# Altium PCB GN-1866-A-V2.PCBDOC (part 3 of 5) (continued)
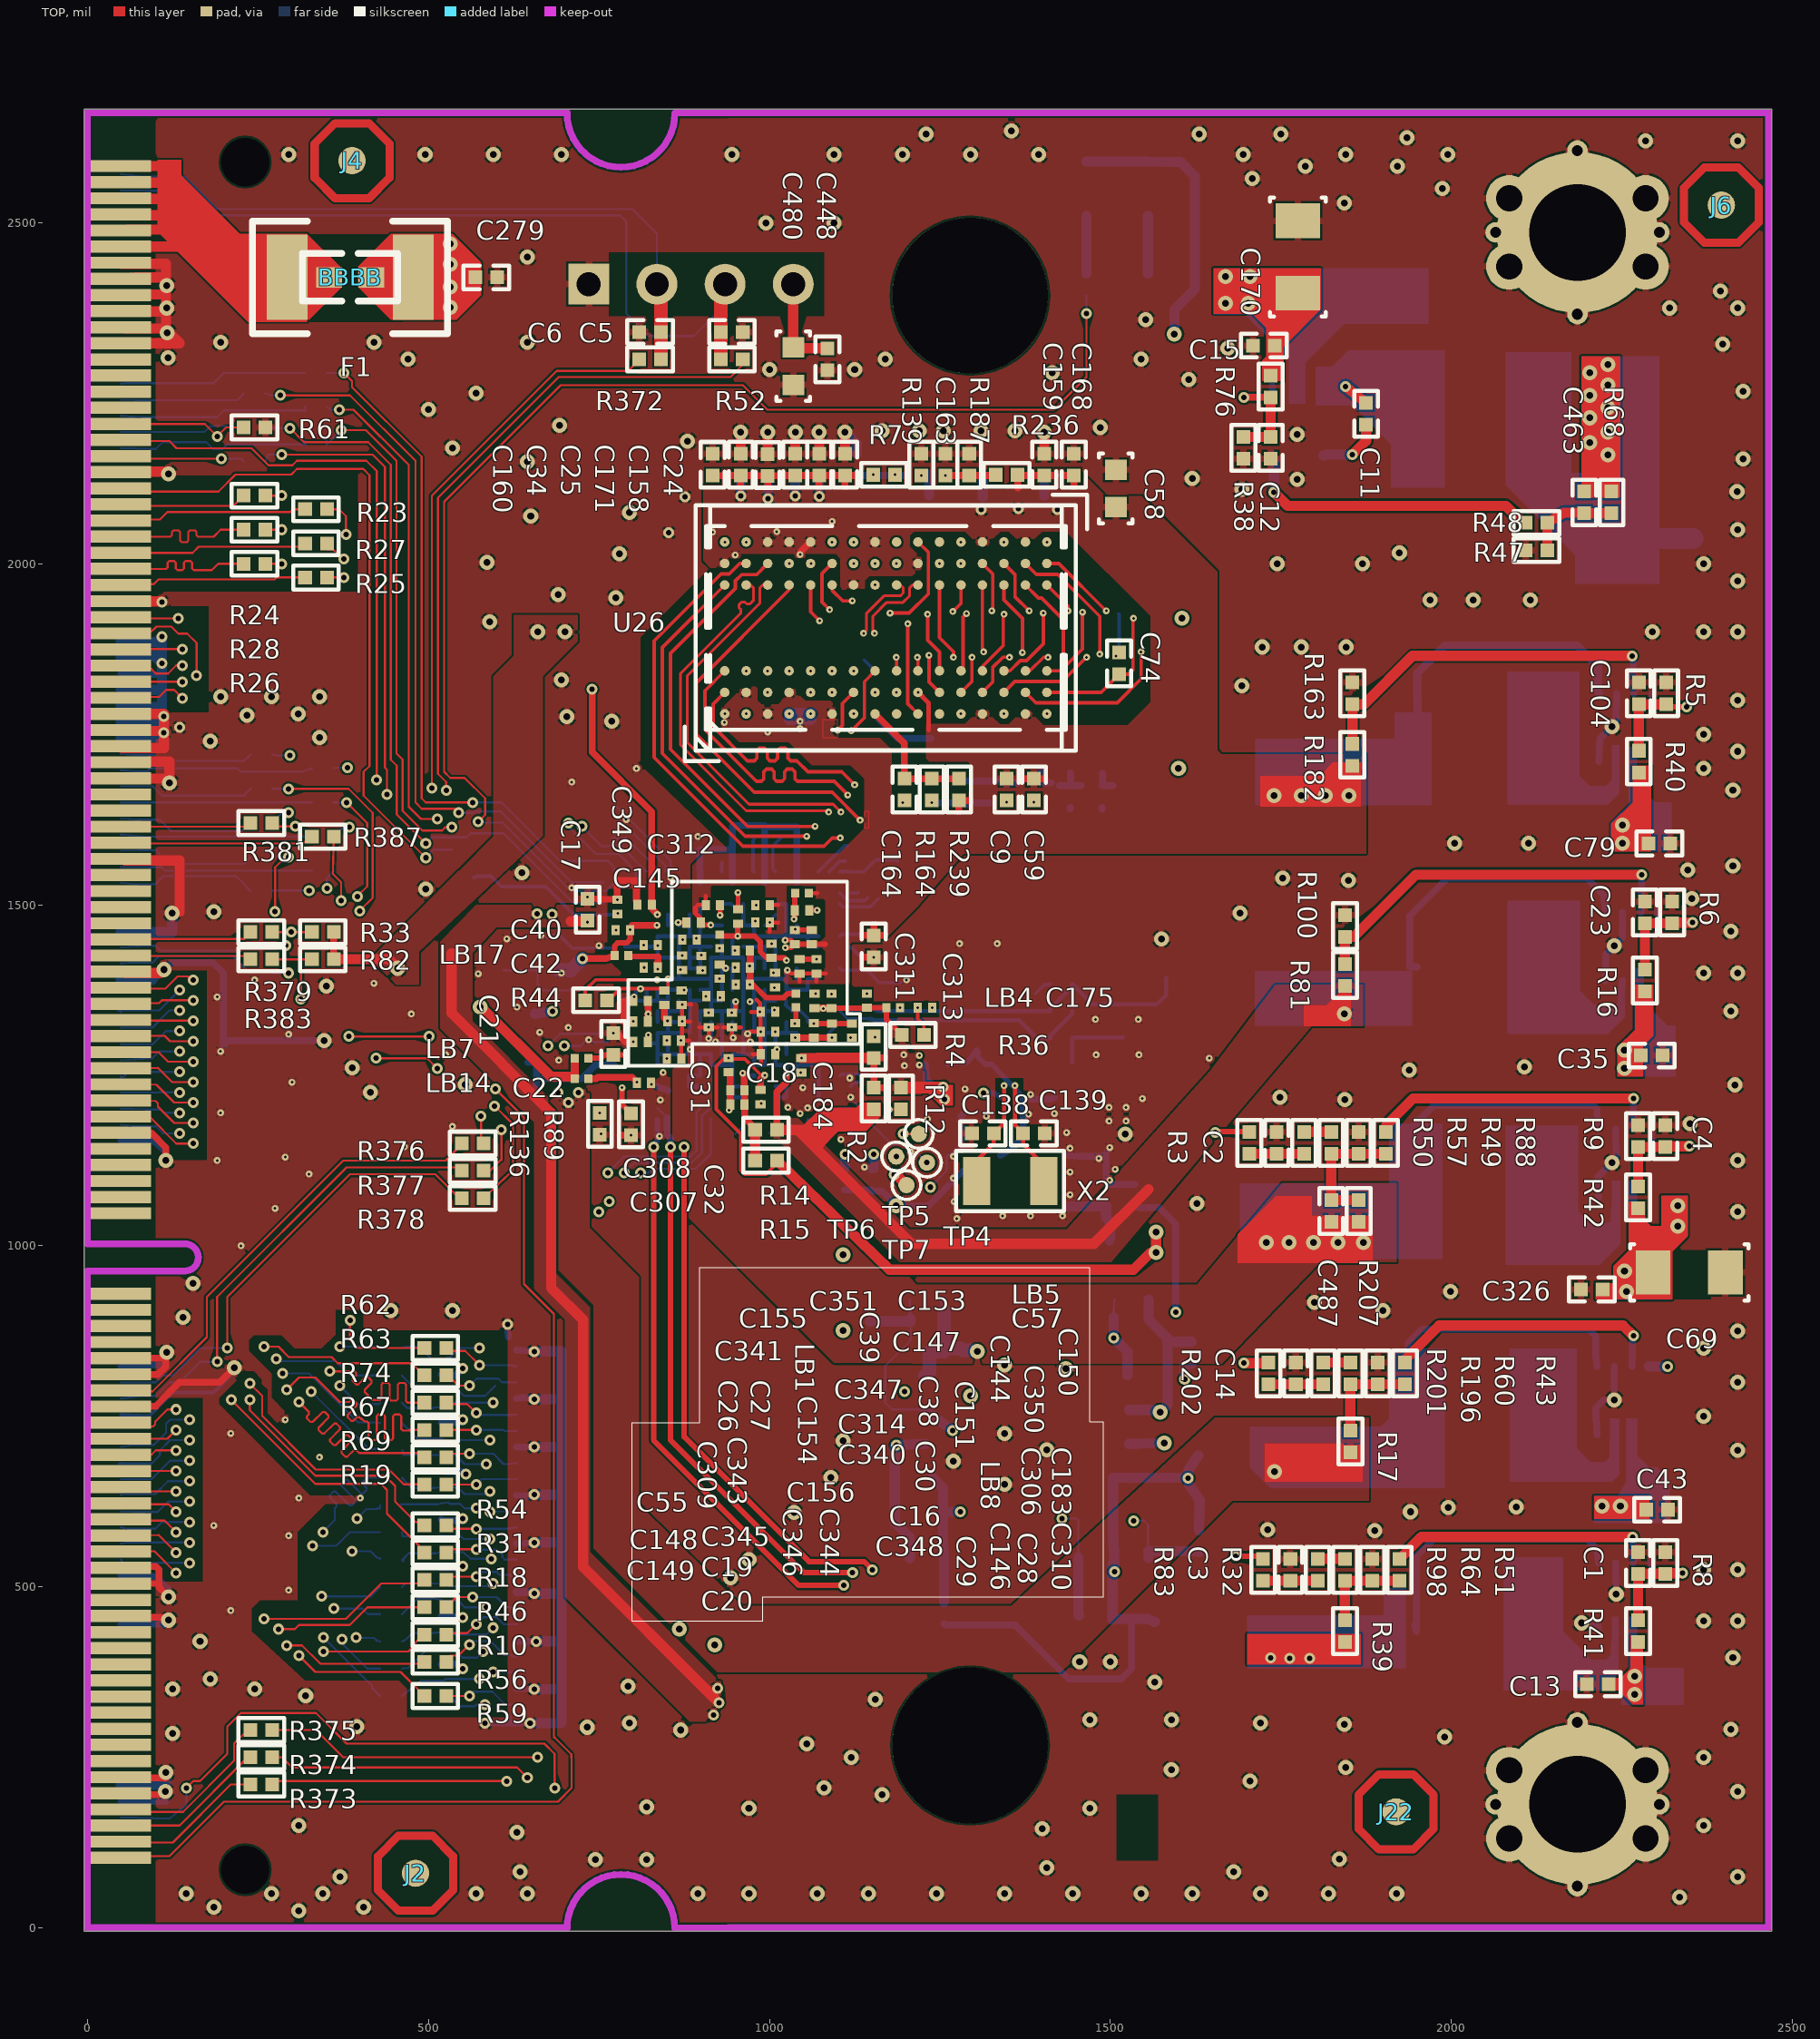
[diagram p0: TOP view]
## Nets (pads, with @x,y where several pads share a name; then routed paths per layer and width w, separated by ;. In a path a pad name is that pad's centre, name@x,y a point inside that pad or via, vN(x,y) a via of type N, cw(c..) or ccw(c..) an arc to the next point about the centre after c; other vN are vias at no path point) (continued)
  other v3: 210,465 295,495 295,575 185,590 310,630 400,630 340,690 210,725 290,745 225,1000 1275,1040 1342,1044 1383,1044 1430,1044 275,1055 1271,1065 1441,1075 1499,1096 1270,1099 325,1105 1441,1108 1507,1112 1139.49,1115.34 190,1125 1483,1128 290,1130 1270,1131 1207,1138 1441,1143 1499,1144 465,1145 1105,1156 838.7,1160.6 1436,1166 535,1175 1498,1183 1523,1183 1232,1186 1318,1190 1380,1193 1045,1194 1418,1194 195,1195 941,1199 1056.09,1202.14 1027,1203 1498,1203 1523,1203 988,1209 840,1214 1547,1216 1119.08,1217.88 1383,1222 1287,1230 827,1237 300,1240 1118,1246 1045.88,1253.75 844,1254 691,1272 849.58,1274.59 1645,1275 525,1280 1479,1280 1542,1280 195,1285 1011,1288 849.5,1300.99 735,1302 1119,1305 295,1310 663,1313 1008.5,1314 705,1320 1478,1332 1541,1332 475,1340 911,1341.5 1238.5,1349 630,1350 190,1365 801.5,1364.99 907,1366 1091,1369 1068,1370 1143,1370 875,1375 950.5,1383 420,1385 245,1390 1201,1390 573,1399 695,1400 1006.08,1400.59 902,1404 869.5,1404.9 936,1407 816,1408 949.6,1408 949.6,1433 750,1440 815.5,1441 1003.38,1443.03 1279,1443 1334,1443 873,1449 615,1450 665,1455 775,1463 979.32,1475.94 980.5,1499.6 733.38,1511.53 710,1525 855,1540 895,1600 790,1625 1195.5,1649.5 1238,1649.5 1348,1650.5 1388,1650.5 710,1680 805,1700 965.96,1779.99 1060.44,1779.99 1123.44,1779.99 1280.92,1779.99 1343.91,1779.99 1406.9,1779.99 1060.44,1811.48 1186.43,1811.48 965.96,1842.98 1508,1865 1028.95,2000.46 1061.06,2000.42 1123.44,2000.46 1186.43,2000.46 934.46,2031.95 965.96,2031.94 1091.94,2031.95 1123.44,2031.95 1280.92,2031.95 1343.91,2031.95 1406.9,2031.95
  other v4: 135,1760 852.5,2045.6 876,2098.3
  other v5: 879,1204 871,1244 887,1257 1069.19,1263.09 837,1287 996,1295 1049,1297 1173,1343 1107,1369 867,1392 960.7,1397.6 1009.02,1420.92 1009,1454 899,1480 1158,1638 1168,1669 1168,1704 1099,1885 1185.8,1897 1214,1897 1242,1897 1270,1897 1298,1897 1326,1897 1354,1897 1382,1897 1410,1897 1438,1897 1466,1897 1494,1897 1522,1897 1047,1952 896,1971 848,1982 874,2010
GPIO_IO1: R394.1 U3.T24 | length 1410.9
  TOP w3: v4(372,2196) 408,2196 453,2151 453,1722 462,1713 462,1638 491,1609 520,1609 525,1614 v4(534,1614)
  ART03 w3: v4(534,1614) 531,1611 498,1611 468,1581 468,1500 438,1470 438,1350 495,1293 v4(675,1293)
  BOTTOM w3: R394.1@351,2180 351,2175 v4(372,2196) ; v4(675,1293) 693,1311 756,1311 U3.T24@756.88,1312.37
GPIO_IO2: R395.1 U3.D24 | length 1093.3
  TOP w3: v4(297,2199) 317.5,2178.5 411.5,2178.5 444.75,2145.25 444.75,1712.75 453.5,1704 453.5,1632.5 v4(496,1590)
  BOTTOM w3: R395.1@261,2200 261,2199 v4(297,2199) ; v4(496,1590) 505,1599 556,1599 562,1605 610,1605 713,1502 754,1502 U3.D24@756.88,1501.35
GPIO_IO3: R396.1 U3.T23 | length 1415.5
  TOP w3: v4(369,2226) 390,2226 471,2145 471,1644 489,1626 v4(513,1626)
  ART03 w3: v4(513,1626) 501,1626 456,1581 456,1500 429,1473 429,1344 495,1278 684,1278 v4(699,1293)
  BOTTOM w3: R396.1@351,2230 357,2226 v4(369,2226) ; v4(699,1293) 723,1293 729,1299 762,1299 771,1308 U3.T23@772.63,1312.37
GPIO_IO4: R397.1 U3.B24 | length 1087.5
  TOP w3: v4(283,2247) 385,2247 481,2151 481,1650 490,1641 538,1641 v4(544,1635)
  BOTTOM w3: R397.1@261,2250 268,2247 v4(283,2247) ; v4(544,1635) 566,1635 568,1637 605.86,1637 607.78,1635.08 607.92,1635.08 710,1533 710,1532.92 753.88,1532.92 U3.B24@756.88,1532.84
GPIO_IO5: R398.1 U3.A23 | length 1026.9
  TOP w3: v4(376,2280) 388,2268 388,2259 490,2157 490,1656 496,1650 v4(565,1650)
  BOTTOM w3: R398.1@351,2280 v4(376,2280) ; v4(565,1650) 607,1650 692.53,1564.47 763,1564.47 771.97,1555.51 771.97,1550.1 772.04,1550.03 U3.A23@772.63,1548.59
LED1_GREEN: R87.1 U3.B23 | length 1925.2
  TOP w3: v4(573,1622) 583,1632 583,1656 553,1686 532,1686 523,1695 523,2091 694,2262 961,2262 997,2226 1417,2226 1465,2274 v4(1465,2367)
  BOTTOM w3: v4(573,1622) 574.5,1620.5 608.51,1620.5 709,1520.01 759.98,1520.02 U3.B23@772.63,1532.84 ; v4(1465,2367) R87.1@1465,2394
M0_CKM_VI0_D8: MIPI1.11 R10.2 U3.AA6 | length 1279.4
  TOP w3: R10.2@526,430 526,432 557,432 v4(570,445)
  ART03 w3: v4(570,445) 570,438 582,426 601,426 610.33,435.33 610.33,455.67 613.33,458.67 613.33,474 658,518.67 673.33,518.67 967.64,812.98 967.64,822.79 955.72,834.72 955.72,840 972.61,856.89 983.11,856.89 993,847 1004.66,847 1013.83,856.17 1013.83,868.17 1003,879 1003,883 1007.16,887.16 1012.16,887.16 1023.09,876.24 1032.89,876.24 1051,894.34 1051,1100.66 1034,1117.66 1034,1201 1039,1206 1039,1226.43 v5(1027.44,1237.99)
  ART05 w3: v5(1027.44,1237.99) v1(1040.34,1233.63)
  BOTTOM w3: v4(570,445) 580.42,455.42 600,455.42 610,445.42 610,445 MIPI1.11@629.12,445.27
M0_CKP_VI0_D7: MIPI1.10 R58.2 U3.AB6 | length 1278.9
  ART03 w3: v4(595,440) 595.5,440.5 595.5,452.16 603.17,459.83 603.17,477 653.5,527.33 670.67,527.33 676.67,533.33 676.67,537 667.67,546 667.67,549 676,557.33 679,557.33 688,548.33 691.67,548.33 700.28,556.94 700.28,561 694.28,567 694.28,570 700,575.72 702.72,575.72 708.58,569.86 708.86,569.86 709.39,569.33 712.67,569.33 959.64,816.3 959.64,819.48 947.56,831.56 947.56,843 968.56,864 988,864 997,855 1001.34,855 1005.67,859.33 1005.67,863 993,875.67 993,887 1002.32,896.32 1014.32,896.32 1026.4,884.24 1029.58,884.24 1043,897.66 1043,1097.34 1026,1114.34 v5(1026,1218)
  ART05 w3: v5(1026,1218) 1026.12,1217.88 v1(1040.34,1217.88)
  BOTTOM w3: R58.2@461,420 466.37,422.01 476.36,432 505,432 MIPI1.10@518.88,433.46 529,435 530,435 530,430.18 585.18,430.18 v4(595,440)
M0_D0M_VI0_VS: MIPI1.5 U3.AC5 | length 1147.1
  ART05 w3: v4(595,375) 607,375 610,372 610,366 613,363 619,363 622,366 622,375 625,378 690.07,378 1028,715.93 1028,716 1065,753 1065,1123 1065,1167.09 1056.09,1176 v1(1056.09,1202.14)
  BOTTOM w3: v4(595,375) 624.02,375 628.39,374.38 MIPI1.5@617,374 ; MIPI1.5@625.16,375.56 MIPI1.5@629.12,374.4
M0_D0P_VI0_D0: MIPI1.4 R71.2 U3.AD5 | length 1204.5
  ART05 w3: v4(575,365) 575,378 586,389 686.93,389 1055,757.07 v1(1055,1163)
  BOTTOM w3: R71.2@461,340 489.83,362.87 490.04,362.66 514,362.66 MIPI1.4@518.88,362.59 523,362.62 525.48,365 v4(575,365) ; v1(1055,1163) 1055,1184 1057,1184 U3.AD5@1056.09,1186.39
M0_D1M_VI0_HS: MIPI1.2 U3.AD4 | length 1241.7
  ART05 w3: v4(583,327) 598,327 601,324 601,309 604,306 613,306 616,309 616,324 619,327 690,327 1086,723 1086,1172.23 v1(1071.84,1186.39)
  BOTTOM w3: MIPI1.2@518.88,338.97 523,336 535,336 546,325 568,325 570,327 v4(583,327)
M0_D1P_VI0_CK: MIPI1.1 R59.2 U3.AC4 | length 1279.5
  TOP w3: R59.2@526,340 v4(560,340)
  ART05 w2: 1062.52,1180.48 1062.52,1192.82
  ART05 w3: v4(560,340) 572,340 575,343 593,343 599,337 685.86,337 1076,727.14 1076,1167 1062.52,1180.48 ; 1062.52,1192.82 v1(1071.84,1202.14)
  BOTTOM w3: v4(560,340) 566.36,346.36 593.64,346.36 612.95,327.05 620.86,327.05 MIPI1.1@629.12,327.16
M0_D2M_VI0_D1: MIPI1.14 R45.2 U3.AC6 | length 1156.2
  ART05 w3: v4(585,470) 586.56,470 587.6,468.96 604,468.96 610.96,462 718.07,462 1044.04,787.96 1044.04,1001.04 1045,1002 1045,1175 1050,1180 1050,1192.48 v1(1040.34,1202.14)
  BOTTOM w3: R45.2@461,460 484,483 508,483 MIPI1.14@518.88,480.7 519,480.69 520.2,479.5 543.5,479.5 553,470 v4(585,470)
M0_D2P_VI0_D2: MIPI1.13 R46.2 U3.AD6 | length 1141
  TOP w3: R46.2@526,470 541,485 v4(565,485)
  ART05 w3: v4(565,485) 598,485 601.5,488.5 607.5,488.5 610,486 610,482 612.96,479.04 630,479.04 631.96,481 631.96,486 634,488.04 638.96,488.04 641,486 641,475.07 643,473.07 715,473.07 1034.13,792.21 1034.13,1004.79 1037.34,1008 1037.34,1182 1040.34,1185 v1(1040.34,1186.39)
  BOTTOM w3: v4(565,485) 600,485 614.87,470.13 620.13,470.13 621.32,468.95 MIPI1.13@629.12,468.89
M0_D3M_VI0_D5: MIPI1.8 R55.2 U3.AA5 | length 1270.2
  ART03 w3: v4(580,405) 587.53,412.53 601.7,412.53 636.17,447 636.17,450 631,455.17 631,459 637,465 640,465 645.59,459.41 648.59,459.41 681.59,492.41 681.59,495 676,500.59 676,504 682,510 685,510 690.59,504.41 693.59,504.41 702.59,513.41 702.59,516 697,521.59 697,525 703,531 706,531 711.59,525.41 714.59,525.41 1071.77,882.59 1071.77,1098.95 1056,1114.72 1056,1224 v5(1070,1238)
  ART05 w3: v1(1056.09,1233.63) v5(1070,1238)
  BOTTOM w3: R55.2@461,380 470.68,381 499,409.32 510.91,409.32 MIPI1.8@518.88,409.83 529.77,410.8 535.2,410.8 550,396 571,396 v4(580,405)
M0_D3P_VI0_D6: MIPI1.7 R56.2 U3.AB5 | length 1267
  TOP w3: R56.2@526,390 526,393 532,399 544,399 v4(560,415)
  ART03 w3: v4(560,415) 560,399 569,390 591.19,390 613.5,412.31 619.05,412.31 623.32,408.04 626.5,408.04 629.68,411.23 629.68,414.41 625.2,418.9 625.2,422.08 628.38,425.26 631.56,425.26 636.05,420.77 639.23,420.77 642.41,423.95 642.41,427.14 637.92,431.62 637.92,434.8 643,439.88 643,440 1081.51,878.51 1081.51,1100.52 1065,1117.03 1065,1212 v5(1071,1218)
  ART05 w3: v1(1056.09,1217.88) v5(1071,1218)
  BOTTOM w3: v4(560,415) 565.34,420.34 591,420.34 611.5,399.84 620.84,399.84 623.25,397.43 MIPI1.7@629.12,398.02
M1_CKM_VI0_D4: MIPI1.23 R54.2 U3.AD9 | length 983.3
  TOP w3: R54.2@526,590 529,585 v4(570,585)
  ART05 w3: v4(570,585) 577.53,592.53 639.46,592.53 766.56,719.63 766.56,722.81 760.82,728.54 760.82,731.73 764,734.91 767.19,734.91 771.67,730.42 774.85,730.42 778.04,733.6 778.04,736.79 773.55,741.27 773.55,744.45 776.73,747.64 779.91,747.64 784.4,743.15 787.58,743.15 790.76,746.33 790.76,749.51 786.28,754 786.28,757.18 789.46,760.36 792.64,760.36 797.13,755.88 800.97,755.88 823.1,778 828.51,778 831.81,777.88 856.06,802.13 856.06,815 878.93,837.88 892.81,837.88 971,916.07 971,1016.29 982.71,1028 982.71,1176 v1(993.1,1186.39)
  BOTTOM w3: v4(570,585) 619.21,585 619.9,585.69 MIPI1.23@629.12,587
M1_CKP_VI0_D3: MIPI1.22 R53.2 U3.AC9 | length 980.2
  ART05 w3: v4(590,570) 601.46,581.46 642.54,581.46 801.54,740.46 828.95,767.88 835.95,767.88 866.06,797.98 866.06,809.45 884.48,827.88 896.95,827.88 981,911.93 981,1015 991,1025 991,1159 989,1161 989,1168 1002.62,1181.62 1002.62,1192.62 v1(993.1,1202.14)
  BOTTOM w3: R53.2@461,580 462,574 462.12,574.12 508.25,574.12 MIPI1.22@518.88,575.19 528.36,574.45 547,574.45 551.45,570 v4(590,570)
M1_D0M_VI0_D15: MIPI1.26 R35.2 U3.AC10 | length 961.4
  ART05 w2: 967.88,1181 967.88,1192.66
  ART05 w3: v4(570,615) 579.54,624.54 604,624.54 652.24,672.77 660.7,672.77 783,795.07 783,817.5 871.39,905.9 874.58,905.9 882.35,898.12 885.53,898.12 888.72,901.3 888.72,904.49 880.94,912.26 880.94,915.44 884.12,918.63 887.3,918.63 895.08,910.85 898.26,910.85 901.44,914.03 901.44,917.21 893.67,924.99 893.67,928.17 896.85,931.35 900.03,931.35 907.81,923.58 910.99,923.58 948,960.59 948,1018 962.94,1032.93 ; 962.94,1032.97 967.88,1037.91 967.88,1181 ; 967.88,1192.66 v1(977.35,1202.14)
  BOTTOM w3: R35.2@461,620 459.99,620.99 514,621 MIPI1.26@518.88,622.43 529,624 531.36,621.64 546.36,621.64 553,615 v4(570,615)
M1_D0P: MIPI1.25 U3.AD10 | length 942.5
  ART05 w3: v4(590,610) 595,615 607,615 654.49,662.49 664.51,662.49 799,796.93 803.59,801.59 803.59,804.77 796.46,811.9 796.46,815.09 799.64,818.27 802.82,818.27 817.56,803.53 820.74,803.53 823.92,806.71 823.92,809.89 809.19,824.63 809.19,827.81 812.37,830.99 815.55,830.99 827.39,819.16 829,819.16 832.56,822.72 832.56,826.72 821.91,837.36 821.91,840.54 825.1,843.72 828.28,843.72 835.52,836.48 838.71,836.48 841.89,839.66 841.89,842.84 834.64,850.09 834.64,853.27 837.82,856.45 841.01,856.45 848.49,848.97 851.67,848.97 854.85,852.15 854.85,855.33 847.37,862.81 847.37,866.53 872.97,892.13 877.87,892.13 884,886 888.7,886 958,955.3 958,1016 975,1033 975,1180 976.98,1181.98 976.98,1186.02 v1(977.35,1186.39)
  BOTTOM w3: v4(590,610) MIPI1.25@629.12,610.62
M1_D1M_VI0_D14: MIPI1.20 R34.2 U3.AD8 | length 1061.9
  ART05 w3: v4(592,541) 597.43,546.43 613,546.43 615.57,549 615.57,561 618.57,564 631,564 634,561 634,549.43 637,546.43 661,546.43 685.25,570.68 685.25,587.32 691.46,593.54 691.46,597 685,603.46 685,606 691,612 693.54,612 700,605.54 703.46,605.54 709.46,611.54 709.46,615 706.46,618 706.46,621 712,626.54 715,626.54 718,623.54 721.46,623.54 994.96,897.04 994.96,1014.96 1000,1020 v1(1000,1165)
  BOTTOM w3: R34.2@461,540 463,537 463,540.84 471.16,549 511,549 MIPI1.20@518.88,551.57 524.99,550.78 551.22,550.78 562,541 v4(592,541) ; v1(1000,1165) 1009,1174 1009,1186 U3.AD8@1008.85,1186.39
M1_D1P_VI0_D13: MIPI1.19 R31.2 U3.AC8 | length 1048.1
  TOP w3: R31.2@526,550 526,555 v4(570,555)
  ART05 w3: v4(570,555) 570,541 584.12,526.88 602.92,526.88 613,536.96 670,536.96 697.04,564 697.04,584.96 1004.93,892.85 1004.93,1009.01 1010.65,1014.73 1010.98,1014.73 1010.98,1171.17 1008.85,1173.3 v1(1008.85,1202.14)
  BOTTOM w3: v4(570,555) 570.4,554.6 600.7,554.6 608.3,547 608.3,543.3 611.74,539.86 616,539.86 MIPI1.19@629.12,539.76
M1_D2M_VI0_D11: MIPI1.29 R19.2 U3.AA9 | length 984.4
  TOP w3: R19.2@526,650 v4(570,650)
  ART03 w3: v4(570,650) 579.26,659.26 725.26,659.26 888.67,822.67 888.67,839.33 1006,956.66 1006,1103.27 994,1115.27 994,1226 v6(1006,1238)
  ART05 w3: v1(993.1,1233.63) v6(1006,1238)
  BOTTOM w3: v4(570,650) 577.84,657.84 620.31,657.84 620.98,657.17 MIPI1.29@629.12,657.87
M1_D2P_VI0_D12: MIPI1.28 R30.2 U3.AB9 | length 1008.4
  ART03 w3: v4(590,640) 601.5,651.5 679,651.5 682,648.5 682,642 685,639 694,639 697,642 697,646.88 701.62,651.5 729.5,651.5 898,820 898,837.34 1014,953.34 1014,1106.58 1003,1117.58 1003,1213 v5(1008,1218)
  ART05 w3: v1(993.1,1217.88) v5(1008,1218)
  BOTTOM w3: R30.2@461,660 475,645 508,645 MIPI1.28@518.88,646.06 529.03,645.63 543.35,645.63 543.97,645 553,636 586,636 v4(590,640)
M1_D3M_VI0_D10: MIPI1.17 R18.2 U3.AC7 | length 1091.8
  TOP w3: R18.2@526,510 526,512 529,515 v4(570,515)
  ART05 w3: v4(570,515) 574.29,519.29 610.29,519.29 613.57,516 674.86,516 729.43,570.57 729.43,573 724,578.43 724,582 730,588 733,588 738.43,582.57 741.43,582.57 750.43,591.57 750.43,594 745,599.43 745,603 751,609 755.21,609 760.32,603.89 762.75,603.89 1015.2,856.34 1015.2,1006.39 1018.47,1009.66 1018.61,1009.66 1018.61,1175.39 1015,1179 1015,1192.55 v1(1024.59,1202.14)
  BOTTOM w3: v4(570,515) 577,522 599.43,522 604,517.43 619.57,517.43 622,515 MIPI1.17@629.12,516.13
M1_D3P_VI0_D9: MIPI1.16 R11.2 U3.AD7 | length 1058
  ART05 w3: v4(595,505) 678,505 1025.2,852.2 1025.2,1005.48 1027,1007.28 1027,1183.98 v1(1024.59,1186.39)
  BOTTOM w3: R11.2@461,500 466,505 505,505 MIPI1.16@518.88,504.32 MIPI1.16@526,504.15 ; v4(595,505) 591,501 MIPI1.16@532,501 ; MIPI1.16@526,504.15 529.15,501 MIPI1.16@532,501 ; MIPI1.16@526,504.15 532,504 MIPI1.16@532,501
M2_CKM_VI1_D15: MIPI1.38 R75.2 U3.AB10 | length 849.4
  ART03 w3: v4(595,770) 637.5,812.5 701.5,812.5 822.5,933.5 822.5,936 817,941.5 817,945 823,951 826,951 831.5,945.5 834.5,945.5 843.5,954.5 843.5,957 835,965.5 835,969 841,975 844,975 852.5,966.5 855.5,966.5 867,978 867,981 864.5,983.5 864.5,987 870.5,993 874,993 876.5,990.5 879.5,990.5 963,1074 963,1111 v5(963,1218)
  ART05 w3: v5(963,1218) v1(977.35,1217.88)
  BOTTOM w3: R75.2@461,770 469,762 505,762 MIPI1.38@518.88,764.17 530,765 535,770 v4(595,770)
M2_CKP_VI1_D14: MIPI1.37 R74.2 U3.AA10 | length 838.7
  TOP w3: R74.2@526,770 526,768 557,768 v4(570,755)
  ART03 w3: v4(570,755) 604,755 616,767 616,777 643,804 705.28,804 969.64,1068.37 971,1069.69 971,1201 978,1208 978,1223 v5(964,1237)
  ART05 w3: v5(964,1237) v1(977.35,1233.63)
  BOTTOM w3: v4(570,755) 573,752 622,752 MIPI1.37@629.12,752.35
M2_D0M_VI1_D8: MIPI1.41 R63.2 U3.AC13 | length 727.5
  TOP w3: R63.2@526,810 526,808.82 530.18,808.82 544,795 v4(560,795)
  ART05 w3: v4(560,795) 571,806 587.1,806 611.1,830 611.1,839.17 819.93,1048 890,1048 912,1070 912,1184.03 v1(930.11,1202.14)
  BOTTOM w3: v4(560,795) 570.39,805.39 602.61,805.39 608,800 623,800 MIPI1.41@629.12,799.6
M2_D0P_VI1_D9: MIPI1.40 R65.2 U3.AD13 | length 759.5
  ART05 w3: v1(598,795) 622,819 622,829.07 620.07,831 620.07,834 720.04,933.96 724,933.96 730,927.96 733,927.96 738.04,933 738.04,935.04 733.54,939.54 733.54,947.46 739.54,953.46 742,953.46 745,950.46 748,950.46 754,956.46 754,960 751.54,962.46 751.54,965.46 825.07,1039 895,1039 919.81,1063.81 919.81,1176.19 930,1186.39 v1(930.11,1186.39)
  BOTTOM w3: R65.2@461,810 484,786 508,786 MIPI1.40@518.88,787.79 543.77,787.79 551.55,780 583,780 v1(598,795)
M2_D1M_VI1_D11: MIPI1.35 R67.2 U3.AD12 | length 782.1
  TOP w3: R67.2@526,730 v4(570,730)
  ART05 w3: v4(570,730) 575,735 592,735 616,759 616,780 651.54,815.54 679.46,815.54 697.46,833.54 697.46,840 688.46,849 688.46,852 692.8,856.33 698.2,856.33 706,848.54 712.46,848.54 743.96,880.04 743.96,888 883.49,1027.52 899.52,1027.52 930.31,1058.31 930.31,1171.69 945,1186.39 v1(945.85,1186.39)
  BOTTOM w3: v4(570,730) 610,730 611.56,728.44 623.2,728.44 MIPI1.35@629.12,728.73
M2_D1P_VI1_D10: MIPI1.34 R66.2 U3.AC12 | length 808.6
  ART05 w3: v4(590,715) 625,750 625,774 654.96,803.96 682.04,803.96 734.54,856.46 734.85,856.46 752.51,874.13 752.51,882 888.01,1017.5 902.5,1017.5 938.5,1053.5 938.5,1167.5 947,1176 950,1176 955.87,1181.86 955.87,1192.75 947.46,1201.16 947.14,1201.16 946.17,1202.14 v1(945.85,1202.14)
  BOTTOM w3: R66.2@461,740 484,717 505,717 MIPI1.34@518.88,716.92 MIPI1.34@525.96,714.88 ; MIPI1.34@526.23,714.8 MIPI1.34@525.96,714.88 ; v4(590,715) 526.09,715 MIPI1.34@525.96,714.88
M2_D2M_VI1_D6: MIPI1.44 R72.2 U3.AA13 | length 759
  ART03 w3: v4(575,850) 575,864 578,867 586,867 592.51,860.49 605.67,860.49 614.91,869.74 634,869.74 634.26,870 695.34,870 927,1101.66 927,1223 943,1239 v5(945,1239)
  ART05 w3: v1(930.11,1233.63) v5(945,1239)
  BOTTOM w3: R72.2@461,850 466,852 487,852 505,834 MIPI1.44@518.88,835.03 532,837 545,850 v4(575,850)
M2_D2P_VI1_D7: MIPI1.43 R62.2 U3.AB13 | length 750
  TOP w3: R62.2@526,850 526,846 554,846 v4(575,825)
  ART03 w3: v4(575,825) 586,825 621.67,860.67 697.33,860.67 720.66,884 720.93,884 724.11,887.19 727.29,887.19 734.59,879.88 737.77,879.88 740.95,883.07 740.95,886.25 733.93,893.27 733.93,896.45 743.66,906.18 743.66,907 935,1098.34 935,1206 943,1214 v5(943,1218)
  ART05 w3: v1(930.11,1217.88) v5(943,1218)
  BOTTOM w3: v4(575,825) 623.08,825 624.97,823.11 MIPI1.43@629.12,823.22
M2_D3M_VI1_D13: MIPI1.32 R70.2 U3.AD11 | length 885.7
  ART05 w3: v4(585,680) 592,680 596.96,684.96 596.96,685.04 781.46,869.54 781.46,873 775.46,879 775.46,882 781,887.54 784,887.54 790,881.54 793.46,881.54 818.96,907.04 818.96,912 814,916.96 814,921 823,930 826,930 832.46,923.54 835.46,923.54 842.96,931.04 842.96,937.04 838,942 838,945 844,951 847,951 853.46,944.54 856.46,944.54 860.52,948.59 860.52,951.55 858.07,954 858.07,957 864.07,963 868,963 870.62,960.38 872.31,960.38 875.96,964.04 876.04,964.04 880.81,968.81 880.81,972 877.81,975 877.81,978 883,983.19 886,983.19 888.69,980.5 892.5,980.5 923,1011 923,1024 950,1053 v1(950,1164)
  BOTTOM w3: R70.2@461,700 463,699 463,693 508,693 MIPI1.32@518.88,693.3 540,693 553,680 v4(585,680) ; v1(950,1164) 961,1175 961,1184 U3.AD11@961.6,1186.39
M2_D3P_VI1_D12: MIPI1.31 R69.2 U3.AC11 | length 858.5
  TOP w3: R69.2@526,690 526,695 v4(560,695)
  ART05 w3: v4(560,695) 568,687 568,678 580,666 601,666 613.52,678.52 613.52,685 932,1003.48 932,1020 958.5,1046.5 958.5,1149.93 961.87,1153.3 961.87,1201.67 961.5,1202.04 v1(961.6,1202.14)
  BOTTOM w3: v4(560,695) 595,695 610,680 615,680 MIPI1.31@629.12,681.49
MDCK: J1.168 R29.1 | length 183.3
  TOP w3: J1.168@49,2157.93 76,2157 79,2154 v4(196,2154)
  BOTTOM w3: v4(196,2154) 226,2154 R29.1@229,2150
MDCK_0: R29.2 U3.E19 | length 1219.7
  TOP w3: v4(285,2160) 418,2160 436,2142 436,1701 439,1698 v4(439,1662)
  ART05 w3: v4(439,1662) 439,1602 487,1554 528,1554 550,1576 550,1588 554,1592 573,1592 584.5,1580.5 584.5,1570.5 632,1523 742,1523 760,1505 816.22,1505 v1(835.62,1485.6)
  BOTTOM w3: R29.2@261,2150 265,2160 v4(285,2160)
MDIO: J1.170 U3.E20 | length 1385.7
  TOP w3: J1.170@49,2181.55 50,2180 120,2180 130.5,2169.5 240.5,2169.5 265.59,2144.41 300.41,2144.41 307,2151 409,2151 424,2136 v4(424,1683)
  ART05 w3: v4(424,1683) 424,1653 430,1647 430,1599 484,1545 578.5,1545 619,1504.5 732.5,1504.5 752,1485 780.73,1485 792,1473.73 808,1473.73 v1(819.87,1485.6)
N514212: LED3.2 R1.1 | length 84
  BOTTOM w15: R1.1@1555,2426 LED3.2@1555,2510
N527138: C11.1 U6.1 | length 95.3
  TOP w15: v4(1855,2160) 1875,2180 C11.1@1875,2204
  BOTTOM w15: U6.1@1812.4,2158.82 1815.03,2158.89 1816.14,2160 v4(1855,2160)
N527650: C487.2 R49.1 R57.1 R88.2 R207.2 | length 188
  TOP w15: R207.2@1864,1067 C487.2@1824,1067 R57.1@1824,1135 R49.1@1864,1135 R88.2@1904,1135
N528700: R50.1 R57.2 | length 40
  TOP w15: R50.1@1784,1167 R57.2@1824,1167
N528704: C2.1 R3.1 R50.2 | length 80
  TOP w15: R3.1@1704,1135 C2.1@1744,1135 R50.2@1784,1135
N528716: L4.1 U17.3 | length 243.3
  BOTTOM w10: L4.1@2118.65,1081 2144,1071 2144,1006 2224,1006 2239,1021 2239,1051 U17.3@2241.2,1070.72
N528720: R88.1 U17.7 | length 433.4
  TOP w15: R88.1@1904,1167 1904,1176 1944,1216 v4(2267,1216)
  BOTTOM w10: U17.7@2266.8,1171.12 v4(2267,1216)
N528764: C11.2 L1.1 U6.6 | length 201.5
  TOP w15: v4(1845,2260) C11.2@1875,2236
  BOTTOM w15: U6.6@1812.4,2261.18 v4(1845,2260) 1910,2260 1945,2225 L1.1@1950.35,2210
N528772: C12.1 R38.1 R76.2 U6.4 | length 194.6
  TOP w10: v4(1696,2244) R76.2@1735,2244
  TOP w15: R38.1@1695,2186 C12.1@1735,2186 R76.2@1735,2244
  BOTTOM w10: v4(1696,2244) 1697,2245 1737,2245 U6.4@1737.6,2261.18
N528816: R48.1 U6.3 | length 442.4
  TOP w15: v4(1740,2105) 1760,2085 2080,2085 2105,2060 R48.1@2109,2060
  BOTTOM w15: U6.3@1737.6,2158.82 1737.77,2154.9 1740,2152.67 v4(1740,2105)
N528824: C463.2 R47.1 R48.2 R68.2 | length 138.8
  TOP w15: R47.1@2141,2020 R48.2@2141,2060 2165,2075 2194,2075 C463.2@2195,2074 R68.2@2235,2074
N537728: L5.2 U22.3 | length 245.7
  BOTTOM w8: L5.2@2119.65,1750 2115,1685 2145,1655 2220,1655 2240,1675 U22.3@2242.2,1709.72
N537732: R163.1 R182.1 U22.7 | length 553.2
  TOP w15: R182.1@1855,1736 R163.1@1855,1794 1857.05,1793.87 1871.87,1793.87 1943,1865 v4(2265,1865)
  BOTTOM w10: v4@2265.01,1864.9 2267.05,1862.85 2267.05,1824.85 U22.7@2267.8,1810.12
  BOTTOM w15: v4(2265,1865) v4@2265.01,1864.9
N537748: C14.1 R201.2 R202.1 | length 80
  TOP w15: R202.1@1732,797 C14.1@1772,797 R201.2@1812,797
N537752: C3.1 R32.1 R83.1 | length 80
  TOP w15: R83.1@1724,509 C3.1@1764,509 R32.1@1804,509
N538396: R17.1 R43.2 R60.1 R196.1 | length 148
  TOP w15: R17.1@1852,729 R196.1@1852,797 R60.1@1892,797 R43.2@1932,797
N538420: R196.2 R201.1 | length 40
  TOP w15: R201.1@1812,829 R196.2@1852,829
N538472: R39.2 R51.1 R64.1 R98.1 | length 138
  TOP w15: R39.2@1844,451 R98.1@1844,509 R64.1@1884,509 R51.1@1924,509
N538716: R43.1 U2.7 | length 411.4
  TOP w15: R43.1@1932,829 1932,833 1982,883 2252,883 v4(2267,868)
  BOTTOM w10: U2.7@2264.8,823.12 2265.53,838.07 2265.53,866.46 2266.3,867.23 v4(2267,868)
N538720: L3.2 U2.3 | length 231.4
  BOTTOM w10: L3.2@2116.65,753 2122,748 2122,678 2227,678 2237,688 2237,713 U2.3@2239.2,722.72
N538724: L7.2 U1.3 | length 253.3
  BOTTOM w10: L7.2@2115.65,444 2109,375 2229,375 2239,385 2239,410 U1.3@2241.2,434.72
N538728: R32.2 R98.2 | length 40
  TOP w15: R32.2@1804,541 R98.2@1844,541
N538738: R51.2 U1.7 | length 393.1
  TOP w15: R51.2@1924,541 1925.1,541.9 1956.2,573 v4(2266,573)
  BOTTOM w10: v4(2266,573) 2266,545 U1.7@2266.8,535.12
N538742: L6.2 U21.3 | length 236.3
  BOTTOM w10: L6.2@2118.65,1409 2129,1404 2129,1344 2249,1344 2249,1369 U21.3@2251.2,1388.72
N538746: R81.2 R100.1 U21.7 | length 569.9
  TOP w15: R81.2@1844,1413 R100.1@1844,1453 1857,1453 1948,1544 v4(2279,1544)
  BOTTOM w10: U21.7@2276.8,1489.12 2279,1489 v4(2279,1544)
N559293: C57.1 LB5.1 U3.F8 | length 69.6
  TOP w8: v3(1036,1479.1) 1037.5,1480.6 C57.1@1037.5,1492 1037.5,1516.5 LB5.1@1038,1517
  ART02 w8: v5(1021,1470) v3(1036,1479.1)
  ART05 w10: v1(1008.85,1469.85) v5@1019.85,1469.85 ; v5@1019.85,1469.85 v5(1021,1470) 1020,1470 v5@1019.85,1469.85
N579799: C309.1 R44.1 U3.L19 | length 148.1
  TOP w5: R44.1@762,1360 769,1365 781,1377 v3(811,1377) 844,1377 C309.1@846.08,1374.09 850.99,1379 851.37,1379 v3(851.37,1391.11)
  ART02 w10: v3(811,1377) 811,1386 v5(817,1392)
  ART05 w10: v5(817,1392) 834.73,1392 v1(835.62,1391.11)
N588529: R139.2 U26.L8 | length 140
  ART02 w3: v5(1223,2116.43) v3(1223,2129.5) ; v3(1249.42,2000.46) v5(1249.42,2016.5)
  ART03 w3: v5(1223,2116.43) 1223,2070 1249.42,2043.58 v5(1249.42,2016.5)
N588537: R140.2 U19.L8 | length 130.6
  ART05 w3: v1(1248,1681.5) 1248,1810.06 v1(1249.42,1811.48)
N600490: R21.2 U3.W1 | length 998.5
  ART05 w3: v1(1119.08,1265.13) 1125.85,1271.9 1152.52,1271.9 1258.5,1165.92 1258.5,767.5 1277,749 1447,749 1502,804 v4(1609,804)
  BOTTOM w15: v4(1609,804) 1609,827 R21.2@1619,827
N600540: R23.2 U3.A20 | length 815.6
  TOP w3: R23.2@351,2080 369,2080 379,2070 v4(379,2043)
  ART03 w3: v4(379,2043) 367,2043 355,2031 355,1945 700,1600 710,1600 v4(725,1615)
  BOTTOM w3: v4(725,1615) 754,1586 782.31,1586 818.68,1549.63 U3.A20@819.87,1548.59